# Altium PCB e-puck3-coreboard.PcbDoc (part 1 of 7) (continued)
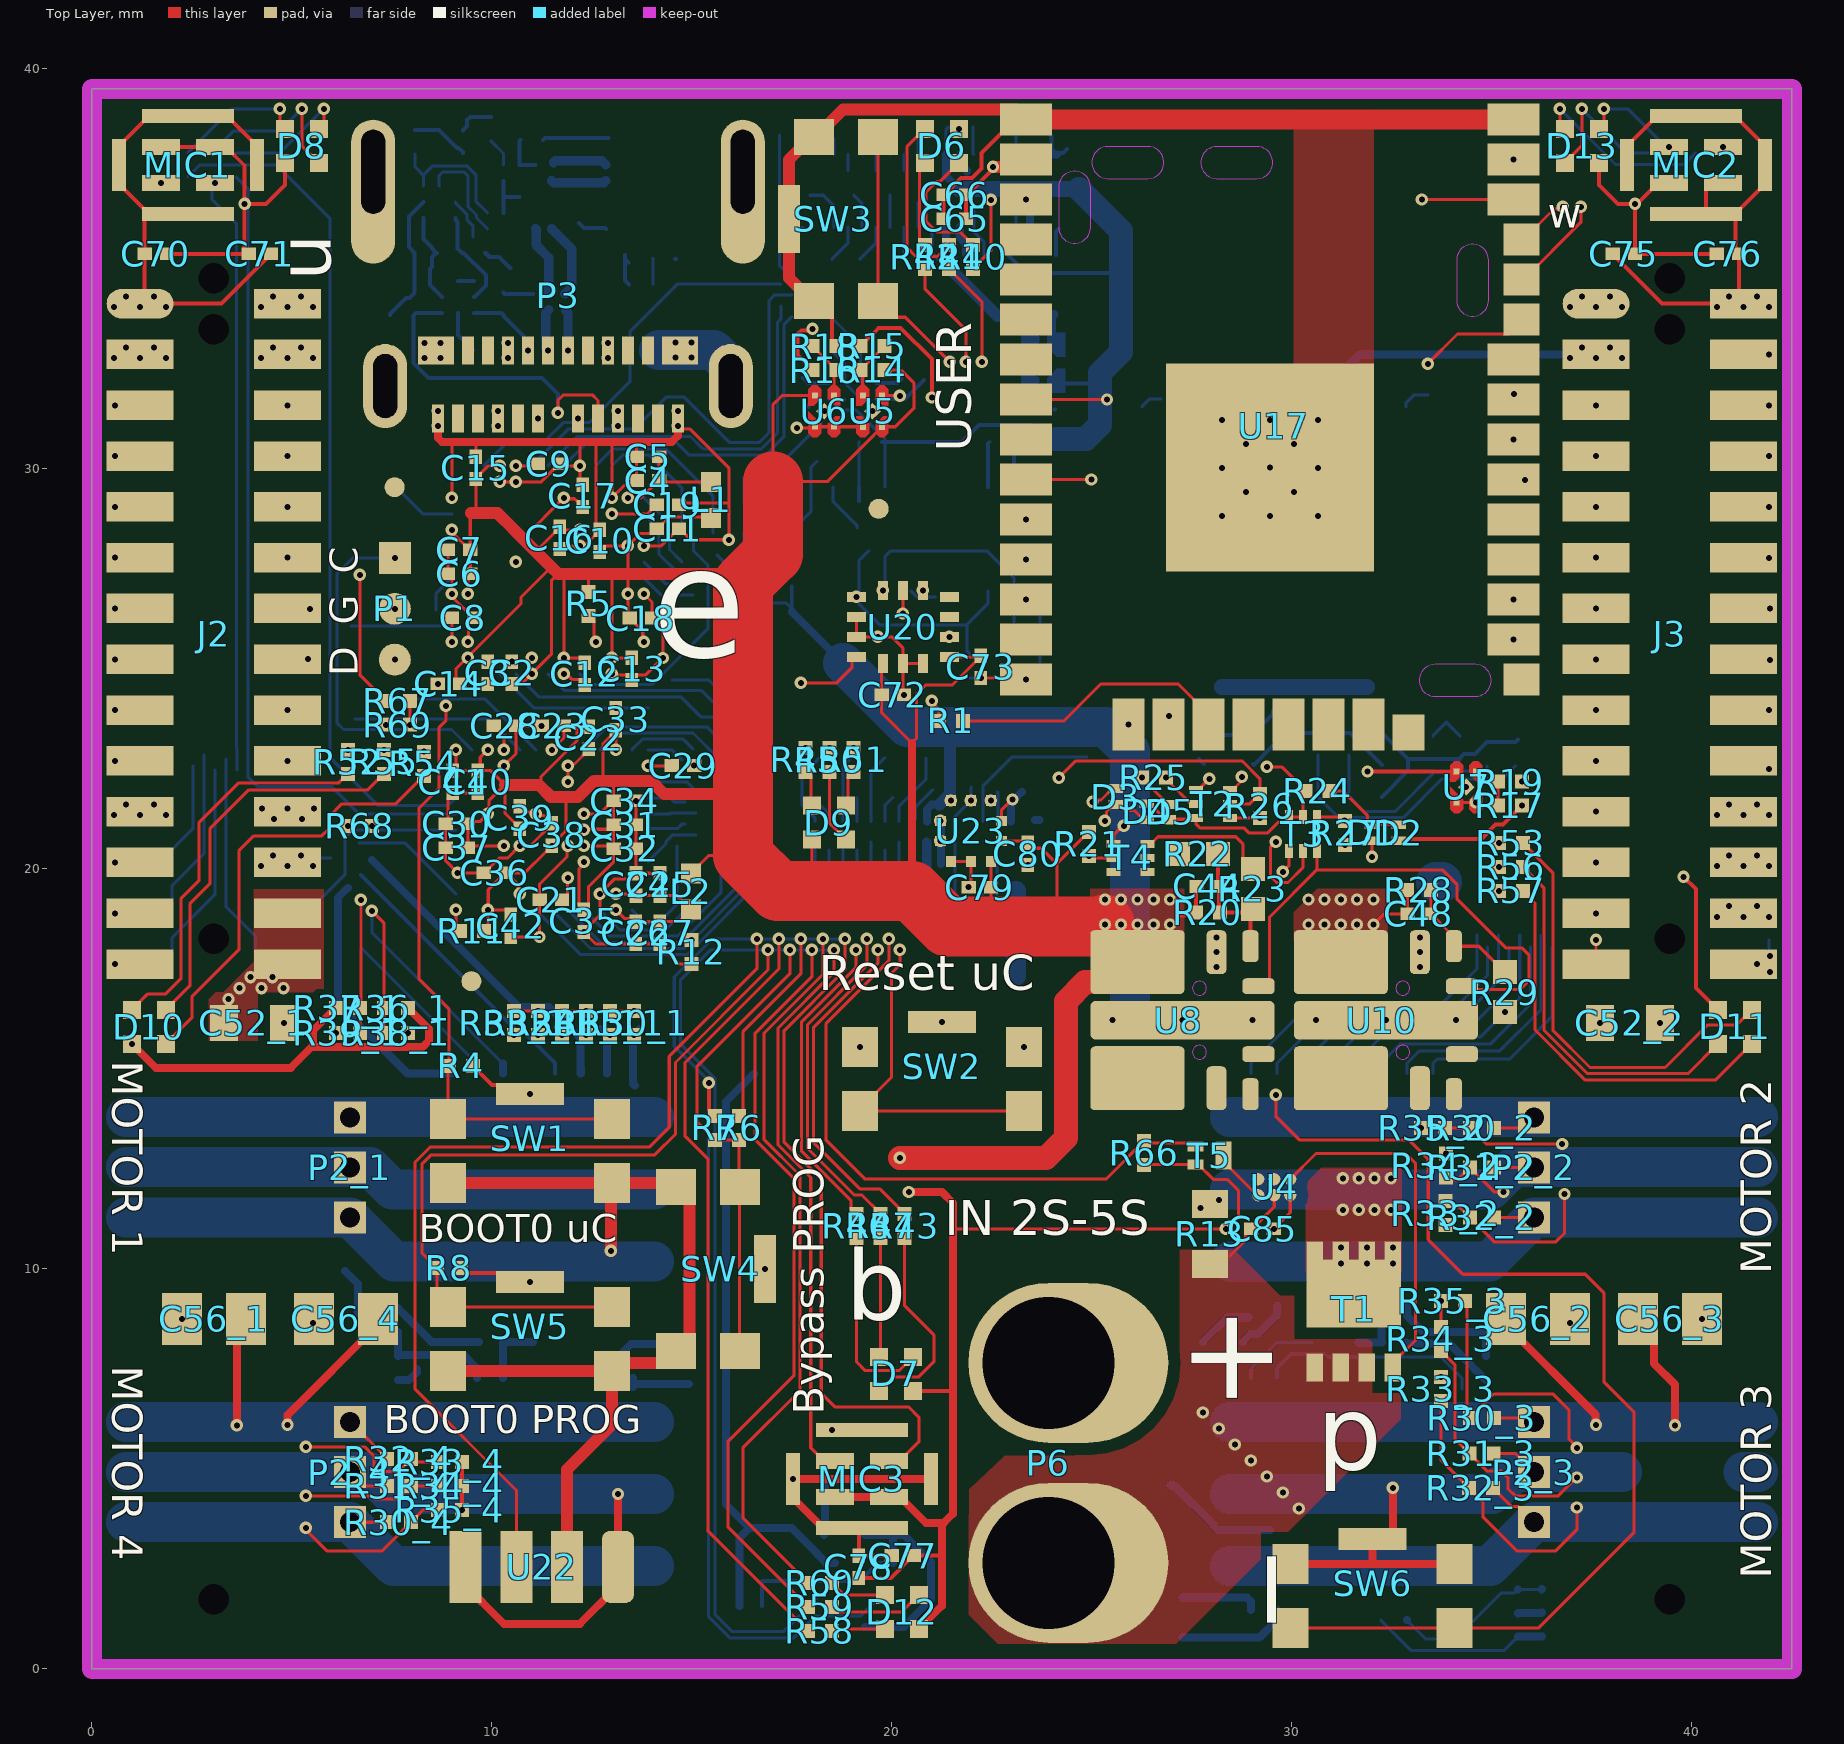
[diagram p0: Top Layer view]
## Components (designator, comment, footprint, x,y, rotation, side; value= is the part's Value field where it differs from the comment) (continued)
R39_1 "2K7" RESC0201(0603)_L 6.4,15.9 r180 top (schematic designator R39)
R39_2 "2K7" RESC0201(0603)_L 34.85,7.515 r270 bottom (schematic designator R39)
R39_3 "2K7" RESC0201(0603)_L 36.25,2.29 r90 bottom (schematic designator R39)
R39_4 "2K7" RESC0201(0603)_L 7.65,8.715 r90 bottom (schematic designator R39)
R40 "1K2" RESC0201(0603)_L 22.025,35.3 r90 top
R41 "249R" RESC0201(0603)_L 21.425,35.3 r90 top
R42 "402R" RESC0201(0603)_L 20.824,35.3 r90 top
R43 "1K2" RESC0201(0603)_L 20.32,11.075 r270 top
R44 "1K2" RESC0201(0603)_L 2.4,37.6 r90 bottom
R45 "1K2" RESC0201(0603)_L 17.84,22.725 r270 top
R46 "249R" RESC0201(0603)_L 19.12,11.075 r270 top
R47 "402R" RESC0201(0603)_L 19.72,11.075 r270 top
R48 "249R" RESC0201(0603)_L 3,37.6 r90 bottom
R49 "402R" RESC0201(0603)_L 3.6,37.6 r90 bottom
R50 "249R" RESC0201(0603)_L 18.44,22.725 r270 top
R51 "402R" RESC0201(0603)_L 19.04,22.725 r270 top
R52 "1K2" RESC0201(0603)_L 6.4,22.675 r270 top
R53 "1K2" RESC0201(0603)_L 35.475,20.65 r0 top
R54 "249R" RESC0201(0603)_L 8.3,22.625 r270 top
R55 "402R" RESC0201(0603)_L 7.3,22.675 r270 top
R56 "249R" RESC0201(0603)_L 35.475,20.05 r0 top
R57 "402R" RESC0201(0603)_L 35.475,19.45 r0 top
R58 "1K2" RESC0201(0603)_L 18.2,0.95 r0 top
R59 "249R" RESC0201(0603)_L 18.2,1.55 r0 top
R60 "402R" RESC0201(0603)_L 18.2,2.15 r0 top
R61 "1K2" RESC0201(0603)_L 38.9,37.6 r90 bottom
R62 "249R" RESC0201(0603)_L 39.5,37.6 r90 bottom
R63 "402R" RESC0201(0603)_L 40.1,37.6 r90 bottom
R64 "4K7" RESC0201(0603)_L 8.075,38.175 r270 bottom
R65 "4K7" RESC0201(0603)_L 8.675,38.175 r270 bottom
R66 "100K" RESC0201(0603)_L 26.31,12.9 r90 top
R67 "100K" RESC0201(0603)_L 7.65,24.2 r180 top
R68 "100K" RESC0201(0603)_L 6.7,21.075 r180 top
R69 "100K" RESC0201(0603)_L 7.65,23.605 r180 top
R70 "12K 1%" RESC0201(0603)_L 9.975,38.5 r90 bottom
R71 "8K06 1%" RESC0201(0603)_L 12.175,36.45 r90 bottom
R72 "100K" RESC0201(0603)_L 13.725,34.608 r180 bottom
R73 "100K" RESC0201(0603)_L 7.25,24.55 r270 bottom
R74 "100K" RESC0201(0603)_L 27.35,36.5 r90 bottom
R75 "4K7" RESC0201(0603)_L 27.675,23.05 r270 bottom
R76 "120R" RESC0201(0603)_L 23.05,25.35 r90 bottom
R77 "100K" RESC0201(0603)_L 22.95,21.925 r0 bottom
R78 "20K" RESC0201(0603)_L 22.225,18.525 r180 bottom
R79 "100K" RESC0201(0603)_L 23.425,38.575 r0 bottom
R80 "20K" RESC0201(0603)_L 23.8,35.35 r0 bottom
R81 "4K7" RESC0201(0603)_L 21.725,38.55 r0 bottom
R82 "4K7" RESC0201(0603)_L 22.6,35.35 r180 bottom
R83 "4K7" RESC0201(0603)_L 16.6,29.8 r180 bottom
SD1 "1051620001" 1051620001-with_card 33.95,31.55 r180 bottom locked
SW1 "button" C&K_KMR2 10.95,12.95 r270 top locked
SW2 "button" C&K_KMR2 21.25,14.75 r270 top locked
SW3 "button" C&K_KMR2 18.85,36.25 r0 top locked
SW4 "button" C&K_KMR2 15.4,10 r180 top
SW5 "button" C&K_KMR2 10.95,8.25 r270 top locked
SW6 "button" C&K_KMR2 32.019,1.825 r270 top
T1 "FDMC8010DC" "PQFN8 3.3X3.3" 31.55,8.933 r90 top
T2 "PMDXB550UNEZ" DFN1010B-6 28.025,21.625 r0 top
T3 "PMDXB550UNEZ" DFN1010B-6 30.275,20.875 r90 top
T4 "PMDXB550UNEZ" DFN1010B-6 25.973,20.272 r0 top
T5 "BSS84AKMB,315" DFND1006B-3 27.59,13.055 r0 top
U1 "STM32F779AIY" WLCSP-180 11.4,27.475 r0 bottom value=Value
U2 "SN74AUP2G32YFPR" "DSBGA 8-pin Ti" 19.016,31.95 r270 bottom
U3 "STM32F746ZGY" WLCSP-143 11.5,20.975 r270 bottom value=Value
U4 "TCK401G,LF" WCSP6E 29.56,12.04 r270 top
U5 "TLV9061IDPWR" X2SON-5 19.515,31.442 r270 top
U6 "TLV9061IDPWR" X2SON-5 18.314,31.441 r90 top
U7 "TLV9061IDPWR" X2SON-5 34.359,22.044 r90 top
U8 "TPSM84209RKHT" "QFN-FCMOD (RKH) 9" 27.065,16.215 r270 top
U9 "MIC5504-1.2YMT-TR" TDFN-4 23.783,32.65 r270 bottom
U10 "TPSM84209RKHT" "QFN-FCMOD (RKH) 9" 32.15,16.215 r270 top
U11_1 "MP6542A" FCQFN6x6-26 11.25,11.985 r90 bottom locked (schematic designator U11)
U11_2 "MP6542A" FCQFN6x6-26 31.25,11.985 r270 bottom locked (schematic designator U11)
U11_3 "MP6542A" FCQFN6x6-26 31.25,4.365 r270 bottom locked (schematic designator U11)
U11_4 "MP6542A" FCQFN6x6-26 11.25,4.365 r90 bottom locked (schematic designator U11)
U12 "FUSB302UCX" WLCSP9 9.089,36.275 r90 bottom
U13 "TPD2S300YFFR" "WLCSP9 - ti" 8.75,33.9 r0 bottom
U14 "USB3333E-GL-TR" 25WLCSP 13.65,36.8 r0 bottom
U16 "USB3803C-1-GL-TR" 25WLCSP 10.693,36.8 r180 bottom
U17 "TTGO micro-32 (ESP32)" "TTGO Micro-32 (ESP32)" 29.45,32.75 r0 top locked
U18 "VL53L1" VL53L1x 30.65,22.6 r180 bottom
U19 "TCAN334GDCNR" SOT-23-8 19.5,28.25 r270 bottom
U20 "LSM6DSOXTR" STM_LGA_14L 20.275,26.05 r0 top
U21 "TCAN334GDCNR" SOT-23-8 22.725,28.25 r270 bottom
U22 "TSOP75436WTT" VISHAY-TSOP752-754 11.25,1.65 r180 top
U23 "LPS22HHTR" STM_HLGA_10L 21.975,20.95 r180 top
X1 "DSC6001HE2A-026.0000" "Oscillator 1.6x1.2mm VFLGA" 16.899,28.752 r270 bottom
X2 "DSC6001HE2A-026.0000" "Oscillator 1.6x1.2mm VFLGA" 16.899,26.06 r90 bottom

## Footprints (in the part's own frame and the unit in brackets; to place one, negate y for a bottom-side part, rotate by r counter-clockwise, add the part's x,y. Pads: shape width x height; smd on the part's side, far side on the other; paste and mask are expansions set on the pad)
25WLCSP [mm]
  round 0.304 smd paste-0.039 mask-0.039: A1(-0.8,0.8) A2(-0.4,0.8) A3(0,0.8) A4(0.4,0.8) A5(0.8,0.8) B1(-0.8,0.4) B2(-0.4,0.4) B3(0,0.4) B4(0.4,0.4) B5(0.8,0.4) C1(-0.8,0) C2(-0.4,0) C3(0,0) C4(0.4,0) C5(0.8,0) D1(-0.8,-0.4) D2(-0.4,-0.4) D3(0,-0.4) D4(0.4,-0.4) D5(0.8,-0.4) E1(-0.8,-0.8) E2(-0.4,-0.8) E3(0,-0.8) E4(0.4,-0.8) E5(0.8,-0.8)
  body extent -0.98,-0.98 0.98,0.98, height 0.57
"0201 diode" [mm] "for 0201 mcsemi diode"
  rect 0.22x0.36 smd mask+0.05: 1(-0.2,0) 2(0.2,0)
  body extent -0.33,-0.18 1.33,0.2, height 0.34
"0402 inductor" [mm]
  rect 0.5x0.5 smd: 1(-0.45,0) 2(0.45,0)
  body extent -0.5,-0.25 0.5,0.25, height 0.5
"0603 - diode" [mm]
  rect 0.55x0.8 smd paste-0.015: 1(-0.625,0) 2(0.625,0)
  body extent -0.8,-0.5 0.8,0.5, height 0.51
0530480350 [mm]
  rect 0.8x0.8 / inner round 0.8 / far side rect 0.8x0.8 hole 0.5: 1(0,0) 2(1.25,0) 3(2.5,0)
  body extent -1.49,-1.05 4.01,4.45, height 3.19
1051620001-with_card [mm]
  rect 0.5x1 smd: 1(0,0) 2(1.1,0) 3(2.2,0) 4(3.3,0) 5(4.4,0) 6(5.5,0) 7(6.6,0) 8(7.7,0)
  rect 0.72x0.79 smd: 9(-1.76,-2.685)
  rect 1.05x1.2 smd: SHIELD(-1.775,-6.56) SHIELD(8.875,-5.99)
  rect 1.05x1.08 smd: SHIELD(-1.775,-3.95)
  rect 2.91x0.55 smd: SHIELD(1.505,-7) SHIELD(5.695,-7)
  rect 1.05x2.39 smd: SHIELD(8.875,-2.805)
  Top Layer keep-out region: 8.16,-5.735 -0.32,-5.735 -0.32,-1.345 8.16,-1.345
  body extent -2.47,-7.29 9.2,7.96, height 2.2
C&K_KMR2 [mm]
  rect 1x0.9 smd: 1(-0.8,2.05) 1(-0.8,-2.05) 2(0.8,2.05) 2(0.8,-2.05)
  rect 0.55x1.7 smd: Shield(-1.425,0)
  body extent -1.4,-2.3 1.4,2.3, height 1.9
CAPC0201(0603)33_L [mm] "Chip Capacitor, Body 0.6x0.3mm, Height 0.33mm, IPC High Density"
  rect 0.36x0.32 smd: 1(-0.28,0) 2(0.28,0)
  body extent -0.32,-0.17 0.32,0.17, height 0.33
CAPC1005X05L [mm] "Chip Capacitor, Body 1.1x0.5mm, IPC High Density, EIA 0402"
  rect 0.6x0.6 smd: 1(-0.5,0) 2(0.5,0)
  body extent -0.55,-0.3 0.55,0.3, height 0.6
CAPC1608X08L [mm] "Chip Capacitor, Body 1.6x0.8mm, IPC High Density, EIA 0603"
  rect 0.7x0.9 smd: 1(-0.75,0) 2(0.75,0)
  body extent -0.9,-0.48 0.9,0.48, height 0.95
CAPC2012X13L [mm] "Chip Capacitor, Body 2.0x1.3mm, IPC High Density, EIA 0805"
  rect 1x1.3 smd: 1(-0.8,0) 2(0.8,0)
  body extent -1.1,-0.72 1.1,0.72, height 1.45
CC_SolderJP_U [mm] "Micro Solder Jumper 2 leads"
  rect 0.4x0.65 smd paste-0.6 mask+0.05: 1(-0.3,0) 2(0.3,0)
  body extent -0.45,-0.27 0.45,0.28, height 0.3
DFN1010B-6 [mm]
  rect 0.35x0.2 smd paste+0 mask+0.05: 1(-0.425,0.35) 2(-0.425,0) 3(-0.425,-0.35) 4(0.425,-0.35) 5(0.425,0) 6(0.425,0.35)
  body extent -0.53,-0.57 0.52,0.58, height 0.41
DFND1006B-3 [mm]
  rect 0.4x0.25 smd paste-4 mask+0.05: 1(0,0) 2(0,-0.45)
  rect 0.4x0.7 smd paste-0.05 mask+0.05: 3(0.7,-0.225)
  body extent -0.15,-0.52 0.85,0.08, height 0.35
"DSBGA 8-pin Ti" [mm]
  round 0.304 smd paste-0.039 mask-0.039: A1(-0.2,0.6) A2(0.2,0.6) B1(-0.2,0.2) B2(0.2,0.2) C1(-0.2,-0.2) C2(0.2,-0.2) D1(-0.2,-0.6) D2(0.2,-0.6)
  body extent -0.4,-0.8 0.4,0.8, height 0.51
ECMF02-2BF3 [mm] "USB DP-DM line protection"
  round 0.304 smd paste-0.039 mask-0.039: A1(0,0) A2(0.4,0) B1(0,-0.4) B2(0.4,-0.4) C1(0.4,-0.8)
  body extent -0.21,-1.02 0.61,0.22, height 0.59
FCQFN6x6-26 [mm]
  rect 0.8x0.3 smd: 1(-2.9,2.275) 2(-2.9,1.625) 3(-2.9,0.975) 4(-2.9,0.325) 5(-2.9,-0.325) 6(-2.9,-0.975) 7(-2.9,-1.625) 8(-2.9,-2.275) 14(2.9,-2.275) 15(2.9,-1.625) 16(2.9,-0.975) 17(2.9,-0.325) 18(2.9,0.325) 19(2.9,0.975) 20(2.9,1.625) 21(2.9,2.275)
  rect 0.4x3 smd: 9(-1.8,-1.8) 10(-0.9,-1.8) 11(0,-1.8) 12(0.9,-1.8) 13(1.8,-1.8) 22(1.8,1.8) 23(0.9,1.8) 24(0,1.8) 25(-0.9,1.8) 26(-1.8,1.8)
  body extent -3,-3 3,3, height 1.01
FLE-114-01-G-DV-A [mil]
  oval 29x66 smd mask+2: 1(-325,-72.5)
  rect 29x66 smd mask+2: 2(-325,72.5) 3(-275,-72.5) 4(-275,72.5) 5(-225,-72.5) 6(-225,72.5) 7(-175,-72.5) 8(-175,72.5) 9(-125,-72.5) 10(-125,72.5) 11(-75,-72.5) 12(-75,72.5) 13(-25,-72.5) 14(-25,72.5) 15(25,-72.5) 16(25,72.5) 17(75,-72.5) 18(75,72.5) 19(125,-72.5) 20(125,72.5) 21(175,-72.5) 22(175,72.5) 23(225,-72.5) 24(225,72.5) 25(275,-72.5) 26(275,72.5) 27(325,-72.5) 28(325,72.5)
  round 0 hole 30 unplated: 61(-300,0) 62(300,0)
  body extent -352,-90 352,90, height 179
FLE-128-01-G-DV-A [mil]
  oval 29x66 smd mask+2: 1(-675,-72.5)
  rect 29x66 smd mask+2: 2(-675,72.5) 3(-625,-72.5) 4(-625,72.5) 5(-575,-72.5) 6(-575,72.5) 7(-525,-72.5) 8(-525,72.5) 9(-475,-72.5) 10(-475,72.5) 11(-425,-72.5) 12(-425,72.5) 13(-375,-72.5) 14(-375,72.5) 15(-325,-72.5) 16(-325,72.5) 17(-275,-72.5) 18(-275,72.5) 19(-225,-72.5) 20(-225,72.5) 21(-175,-72.5) 22(-175,72.5) 23(-125,-72.5) 24(-125,72.5) 25(-75,-72.5) 26(-75,72.5) 27(-25,-72.5) 28(-25,72.5) 29(25,-72.5) 30(25,72.5) 31(75,-72.5) 32(75,72.5) 33(125,-72.5) 34(125,72.5) 35(175,-72.5) 36(175,72.5) 37(225,-72.5) 38(225,72.5) 39(275,-72.5) 40(275,72.5) 41(325,-72.5) 42(325,72.5) 43(375,-72.5) 44(375,72.5) 45(425,-72.5) 46(425,72.5) 47(475,-72.5) 48(475,72.5) 49(525,-72.5) 50(525,72.5) 51(575,-72.5) 52(575,72.5) 53(625,-72.5) 54(625,72.5) 55(675,-72.5) 56(675,72.5)
  round 0 hole 30 unplated: 61(-650,0) 62(650,0)
  body extent -702,-90 703,90, height 179
HIROSE_BM23FR0.6-30DS-0.35V [mm] "Hirose receptacle BM23FR0.6 Serie, 30 leads, Plug Vertical SMT"
  rrect50% 0.2x0.38 smd mask+0.05: 1(-2.45,0.91)
  rect 0.2x0.38 smd mask+0.05: 2(-2.1,0.91) 3(-1.75,0.91) 4(-1.4,0.91) 5(-1.05,0.91) 6(-0.7,0.91) 7(-0.35,0.91) 8(0,0.91) 9(0.35,0.91) 10(0.7,0.91) 11(1.05,0.91) 12(1.4,0.91) 13(1.75,0.91) 14(2.1,0.91) 15(2.45,0.91) 16(2.45,-0.91) 17(2.1,-0.91) 18(1.75,-0.91) 19(1.4,-0.91) 20(1.05,-0.91) 21(0.7,-0.91) 22(0.35,-0.91) 23(0,-0.91) 24(-0.35,-0.91) 25(-0.7,-0.91) 26(-1.05,-0.91) 27(-1.4,-0.91) 28(-1.75,-0.91) 29(-2.1,-0.91) 30(-2.45,-0.91)
  rect 0.52x0.3 smd mask+0.05: P1(-3.17,-0.95) P1(-3.17,0.95) P2(3.17,-0.95) P2(3.17,0.95)
  body extent -3.87,-0.99 3.88,0.99, height 0.6
LUMEX_SML-LX0404SIUPGUSB [mm]
  rect 0.45x0.45 smd mask+0.05: 1(-0.425,0.425) 2(0.425,0.425) 3(0.425,-0.425) 4(-0.425,-0.425)
  body extent -0.5,-0.5 0.5,0.5, height 0.31
MIC-PACK_MP34DT05-A(Primary) [mm]
  rect 0.4x0.95 smd: 1(-0.45,0.675) 2(-0.45,-0.675) 3(0.45,-0.675) 4(0.45,0.675)
  rect 0.35x2.3 smd: 5(-1.225,0) 5(1.225,0)
  rect 1.3x0.35 smd: 5(0,1.725) 5(0,-1.725)
  body extent -1.5,-2 1.5,2, height 1.02
MOLEX_2012670005 [mm]
  rect 0.3x0.7 smd: A1(-3.005,7.94) A2(-2.505,7.94) A3(-2.005,7.94) A4(-1.505,7.94) A5(-1.005,7.94) A6(-0.505,7.94) A7(0.495,7.94) A8(0.995,7.94) A9(1.495,7.94) A10(1.995,7.94) A11(2.495,7.94) A12(2.995,7.94) B2(2.245,6.24) B3(1.745,6.24) B4(1.245,6.24) B5(0.745,6.24) B6(0.245,6.24) B7(-0.255,6.24) B8(-0.755,6.24) B9(-1.255,6.24) B10(-1.755,6.24) B11(-2.255,6.24)
  rect 0.9x0.7 smd: B1(3.045,6.24) B12(-3.055,6.24)
  oval 1.1x3.6 / inner round 0 / far side oval 1.1x3.6 hole 0.6 slot 2.1 at 90 deg copper offset 0,0.5: SHIELD(-4.625,1.77) SHIELD(4.615,1.77)
  oval 1.1x2.1 / inner round 0 / far side oval 1.1x2.1 hole 0.6 slot 1.6 at 90 deg: SHIELD(-4.325,7.13) SHIELD(4.315,7.13)
  body extent -4.69,-0.18 4.69,8.12, height 3.69
"Oscillator 1.6x1.2mm VFLGA" [mm]
  rect 0.5x0.43 smd: 1(-0.375,0.56)
  rect 0.5x0.35 smd: 2(-0.375,-0.6) 3(0.375,-0.6) 4(0.375,0.6)
  body extent -0.6,-0.8 0.6,0.8, height 1.01
POWERVIAS_2 [mm]
  round 4 all layers, no hole: 1(0,0) 2(5,0)
  oval 4x5 / inner round 0 / far side round 0 hole 3.3 copper offset 0,0.5: 1(0,0) 2(5,0)
"PQFN8 3.3X3.3" [mm]
  rect 0.7x0.42 smd: 1(-1.4,0.975) 2(-1.4,0.325) 3(-1.4,-0.325) 4(-1.4,-0.975)
  rect 0.5x0.42 smd: 5(1.5,-0.975) 6(1.5,-0.325) 7(1.5,0.325) 8(1.5,0.975)
  rect 1x0.7 smd: 9(0.45,-0.65) 9(0.45,0.65)
  rect 1.7x2.37 smd paste-10: 9(0.45,0)
  body extent -1.65,-1.65 1.65,1.65, height 0.8
"QFN-FCMOD (RKH) 9" [mm]
  rrect50% 0.8x0.4 smd paste-0.05 mask-0.05: 1(-1.85,1.9) 6(1.85,1.9)
  rrect50% 1.1x0.5 smd paste-0.05 mask-0.05: 2(-1.7,1.05) 5(1.7,1.05)
  rrect50% 0.475x0.4 smd paste-0.05 mask-0.05: 3(-2.013,-0.6) 3(-2.013,0.05) 3(-2.013,-1.9) 3(-2.013,-1.25) 4(2.013,-0.6) 4(2.013,0.05) 4(2.013,-1.9) 4(2.013,-1.25)
  rrect15% 1.6x2.35 smd paste-1.5 mask-1.168: 3(-1.45,-0.925) 4(1.45,-0.925)
  rrect30% 1.02x0.71 smd paste-0.05 mask-0.05: 3(-1.165,-0.115) 3(-1.165,-0.925) 3(-1.165,-1.735) 4(1.165,-0.115) 4(1.165,-0.925) 4(1.165,-1.735)
  rrect50% 0.4x0.8 smd paste-0.05 mask-0.05: 7(0.85,2.1) 9(-0.85,2.1)
  rrect50% 0.5x1.1 smd paste-0.05 mask-0.05: 8(0,1.95)
  rrect25% 0.96x4.6 smd paste-1 mask-2.286: 8(0,0.2)
  Top Layer pour cut-out: 1.875,0.2 1.875,-0.1 1.856,-0.104 1.84,-0.115 1.829,-0.131 1.825,-0.15 1.825,-0.15 1.825,-0.4 1.829,-0.419 1.84,-0.435 1.856,-0.446 1.875,-0.45 1.875,-0.45 1.875,-0.75 1.856,-0.754 1.84,-0.765 1.829,-0.781 1.825,-0.8 1.825,-0.8 1.825,-1.05 1.829,-1.069 1.84,-1.085 1.856,-1.096 1.875,-1.1 1.875,-1.1 1.875,-1.4 1.856,-1.404 1.84,-1.415 1.829,-1.431 1.825,-1.45 1.825,-1.45 1.825,-1.7 1.829,-1.719 1.84,-1.735 1.856,-1.746 1.875,-1.75 1.875,-1.75 1.875,-2.05 0.75,-2.05 0.731,-2.046 0.715,-2.035 0.704,-2.019 0.7,-2 0.7,-2 0.7,0.125 0.706,0.154 0.722,0.178 0.746,0.194 0.775,0.2 0.775,0.2 0.775,0.2
  Top Layer pour cut-out: -1.875,0.2 -1.875,-0.1 -1.856,-0.104 -1.84,-0.115 -1.829,-0.131 -1.825,-0.15 -1.825,-0.15 -1.825,-0.4 -1.829,-0.419 -1.84,-0.435 -1.856,-0.446 -1.875,-0.45 -1.875,-0.45 -1.875,-0.75 -1.856,-0.754 -1.84,-0.765 -1.829,-0.781 -1.825,-0.8 -1.825,-0.8 -1.825,-1.05 -1.829,-1.069 -1.84,-1.085 -1.856,-1.096 -1.875,-1.1 -1.875,-1.1 -1.875,-1.4 -1.856,-1.404 -1.84,-1.415 -1.829,-1.431 -1.825,-1.45 -1.825,-1.45 -1.825,-1.7 -1.829,-1.719 -1.84,-1.735 -1.856,-1.746 -1.875,-1.75 -1.875,-1.75 -1.875,-2.05 -0.75,-2.05 -0.731,-2.046 -0.715,-2.035 -0.704,-2.019 -0.7,-2 -0.7,-2 -0.7,0.125 -0.706,0.154 -0.722,0.178 -0.746,0.194 -0.775,0.2 -0.775,0.2 -0.775,0.2
  Top Layer keep-out circle w0.001: c-0.8,0.625 r0.175
  Top Layer keep-out circle w0.001: c0.8,0.625 r0.175
  body extent -2.03,-2.29 2.03,2.29, height 2.11
RESC0201(0603)_L [mm] "Chip Resistor, Body 0.6x0.3mm, IPC High Density"
  rect 0.35x0.35 smd: 1(-0.3,0) 2(0.3,0)
  body extent -0.31,-0.16 0.31,0.16, height 0.3
RESC1005X04L [mm] "Chip Resistor, Body 1.1x0.5mm, IPC High Density, EIA 0402"
  rect 0.6x0.6 smd: 1(-0.5,0) 2(0.5,0)
  body extent -0.55,-0.3 0.55,0.3, height 0.4
RESC1608X06L [mm] "Chip Resistor, Body 1.6x0.8mm, IPC High Density, EIA 0603"
  rect 0.7x0.9 smd: 1(-0.75,0) 2(0.75,0)
  body extent -0.85,-0.48 0.85,0.48, height 0.6
SOT-23-8 [mm]
  oval 1.1x0.45 smd: 1(-1.3,0.975) 2(-1.3,0.325) 3(-1.3,-0.325) 4(-1.3,-0.975) 5(1.3,-0.975) 6(1.3,-0.325) 7(1.3,0.325) 8(1.3,0.975)
  body extent -1.4,-1.47 1.4,1.47, height 1.2
STM_HLGA_10L [mm]
  rect 0.275x0.25 smd: 1(-0.762,0.25) 2(-0.762,-0.25) 6(0.763,-0.25) 7(0.763,0.25)
  rect 0.25x0.275 smd: 3(-0.5,-0.762) 4(0,-0.762) 5(0.5,-0.762) 8(0.5,0.762) 9(0,0.762) 10(-0.5,0.762)
  body extent -1,-1 1,1, height 0.81
STM_LGA_14L [mm]
  rect 0.475x0.25 smd: 1(-1.162,0.75) 2(-1.162,0.25) 3(-1.162,-0.25) 4(-1.162,-0.75) 8(1.162,-0.75) 9(1.162,-0.25) 10(1.162,0.25) 11(1.162,0.75)
  rect 0.25x0.475 smd: 5(-0.5,-0.913) 6(0,-0.913) 7(0.5,-0.913) 12(0.5,0.913) 13(0,0.913) 14(-0.5,0.913)
  body extent -1.5,-1.25 1.5,1.25, height 0.87
SWD_pads_3pin [mm]
  rect 0.8x0.8 smd: 1(0,0)
  round 0.8 smd: 2(1.27,0) 3(2.54,0)
TDFN-4 [mm]
  rect 0.1x0.1 smd paste+0 mask+0: 1(-0.51,0.327) 2(-0.513,-0.339) 3(0.518,-0.346) 4(0.512,0.329)
  rect 0.48x0.48 smd rot 135 paste+0 mask+0.05: 5(0,0)
  Top Layer region: -0.75,-0.1 -0.75,-0.55 -0.15,-0.55 -0.15,-0.34 -0.39,-0.1
  Top Layer region: 0.75,-0.1 0.75,-0.55 0.15,-0.55 0.15,-0.34 0.39,-0.1
  Top Layer region: 0.75,0.1 0.75,0.55 0.15,0.55 0.15,0.34 0.39,0.1
  Top Layer region: -0.75,0.1 -0.75,0.55 0.06,0.55 -0.39,0.1
  body extent -0.5,-0.5 0.5,0.5, height 0.56
"TTGO Micro-32 (ESP32)" [mm]
  rect 1.3x0.8 smd: 1(-6.09,5.98) 2(-6.09,4.98) 3(-6.09,3.98) 4(-6.09,2.98) 5(-6.09,1.98) 6(-6.09,0.98) 7(-6.09,-0.02) 8(-6.09,-1.02) 9(-6.09,-2.02) 10(-6.09,-3.02) 11(-6.09,-4.02) 12(-6.09,-5.02) 13(-6.09,-6.02) 14(-6.09,-7.02) 15(-6.09,-8.02) 25(6.09,-7.02) 26(6.09,-6.02) 27(6.09,-5.02) 28(6.09,-4.02) 29(6.09,-3.02) 30(6.09,-2.02) 31(6.09,-1.02) 32(6.09,-0.02) 36(6.09,3.98) 37(6.09,4.98) 38(6.09,5.98)
  rect 0.8x1.3 smd: 16(-3.53,-9.14) 17(-2.53,-9.14) 18(-1.53,-9.14) 19(-0.53,-9.14) 20(0.47,-9.14) 21(1.47,-9.14) 22(2.47,-9.14)
  rect 0.8x0.9 smd: 23(3.47,-9.34)
  rect 0.9x0.8 smd: 24(6.29,-8.02) 33(6.29,0.98) 34(6.29,1.98) 35(6.29,2.98)
  rect 5.2x5.2 smd: 39(0.005,-2.715)
  Top Layer keep-out region: 5.135,-7.64 4.135,-7.64 3.961,-7.68 3.822,-7.791 3.745,-7.951 3.745,-8.129 3.822,-8.289 3.961,-8.4 4.135,-8.44 4.135,-8.44 4.135,-8.44 5.135,-8.44 5.135,-8.44 5.309,-8.4 5.448,-8.289 5.525,-8.129 5.525,-7.951 5.448,-7.791 5.309,-7.68 5.135,-7.64
  Top Layer keep-out region: 5.47,1.465 5.47,2.465 5.43,2.639 5.319,2.778 5.159,2.855 4.981,2.855 4.821,2.778 4.71,2.639 4.67,2.465 4.67,2.465 4.67,2.465 4.67,1.465 4.67,1.465 4.71,1.291 4.821,1.152 4.981,1.075 5.159,1.075 5.319,1.152 5.43,1.291 5.47,1.465
  Top Layer keep-out region: -4.48,3.29 -4.48,4.29 -4.52,4.464 -4.631,4.603 -4.791,4.68 -4.969,4.68 -5.129,4.603 -5.24,4.464 -5.28,4.29 -5.28,4.29 -5.28,4.29 -5.28,3.29 -5.28,3.29 -5.24,3.116 -5.129,2.977 -4.969,2.9 -4.791,2.9 -4.631,2.977 -4.52,3.116 -4.48,3.29
  Top Layer keep-out region: -4.049,4.507 -3.049,4.507 -2.876,4.546 -2.736,4.657 -2.659,4.818 -2.659,4.996 -2.736,5.156 -2.876,5.267 -3.049,5.307 -3.049,5.307 -3.049,5.307 -4.049,5.307 -4.049,5.307 -4.223,5.267 -4.362,5.156 -4.439,4.996 -4.439,4.818 -4.362,4.657 -4.223,4.546 -4.049,4.507
  Top Layer keep-out region: -1.325,4.505 -0.325,4.505 -0.151,4.545 -0.012,4.656 0.065,4.816 0.065,4.994 -0.012,5.154 -0.151,5.265 -0.325,5.305 -0.325,5.305 -0.325,5.305 -1.325,5.305 -1.325,5.305 -1.499,5.265 -1.638,5.154 -1.715,4.994 -1.715,4.816 -1.638,4.656 -1.499,4.545 -1.325,4.505
  body extent -6.51,-9.47 6.55,9.47, height 2.8
VISHAY-TSOP752-754 [mm]
  rrect50% 0.8x1.8 smd: 1(-1.905,-0.9)
  rect 0.8x1.8 smd: 2(-0.635,-0.9) 3(0.635,-0.9) 4(1.905,-0.9)
  body extent -3.4,-1.5 3.4,1.5, height 2.35
VL53L1x [mm]
  rect 0.5x0.5 smd: 1(-1.6,0.8) 2(-0.8,0.8) 3(0,0.8) 4(0.8,0.8) 5(1.6,0.8) 6(1.6,0) 7(1.6,-0.8) 8(0.8,-0.8) 9(0,-0.8) 10(-0.8,-0.8) 11(-1.6,-0.8) 12(-1.6,0)
  body extent -2.45,-1.25 2.45,1.25, height 1.54
WCSP6E [mm]
  round 0.304 smd paste-0.039 mask-0.039: A1(-0.2,0.4) A2(0.2,0.4) B1(-0.2,0) B2(0.2,0) C1(-0.2,-0.4) C2(0.2,-0.4)
  body extent -0.4,-0.6 0.4,0.6, height 0.56
WLCSP9 [mm]
  round 0.304 smd paste-0.039 mask-0.039: A1(0,0) A2(0.4,0) A3(0.8,0) B1(0,-0.4) B2(0.4,-0.4) B3(0.8,-0.4) C1(0,-0.8) C2(0.4,-0.8) C3(0.8,-0.8)
  body extent -0.23,-1.01 1.02,0.2, height 0.59
"WLCSP9 - ti" [mm]
  round 0.304 smd paste-0.039 mask-0.039: A1(0,0) A2(0.4,0) A3(0.8,0) B1(0,-0.4) B2(0.4,-0.4) B3(0.8,-0.4) C1(0,-0.8) C2(0.4,-0.8) C3(0.8,-0.8)
  body extent -0.3,-1.1 1.1,0.3, height 0.64
WLCSP-143 [mm]
  round 0.304 smd paste-0.039 mask-0.039: A1(-2,2.4) A2(-1.6,2.4) A3(-1.2,2.4) A4(-0.8,2.4) A5(-0.4,2.4) A6(0,2.4) A7(0.4,2.4) A8(0.8,2.4) A9(1.2,2.4) A10(1.6,2.4) A11(2,2.4) B1(-2,2) B2(-1.6,2) B3(-1.2,2) B4(-0.8,2) B5(-0.4,2) B6(0,2) B7(0.4,2) B8(0.8,2) B9(1.2,2) B10(1.6,2) B11(2,2) C1(-2,1.6) C2(-1.6,1.6) C3(-1.2,1.6) C4(-0.8,1.6) C5(-0.4,1.6) C6(0,1.6) C7(0.4,1.6) C8(0.8,1.6) C9(1.2,1.6) C10(1.6,1.6) C11(2,1.6) D1(-2,1.2) D2(-1.6,1.2) D3(-1.2,1.2) D4(-0.8,1.2) D5(-0.4,1.2) D6(0,1.2) D7(0.4,1.2) D8(0.8,1.2) D9(1.2,1.2) D10(1.6,1.2) D11(2,1.2) E1(-2,0.8) E2(-1.6,0.8) E3(-1.2,0.8) E4(-0.8,0.8) E5(-0.4,0.8) E6(0,0.8) E7(0.4,0.8) E8(0.8,0.8) E9(1.2,0.8) E10(1.6,0.8) E11(2,0.8) F1(-2,0.4) F2(-1.6,0.4) F3(-1.2,0.4) F4(-0.8,0.4) F5(-0.4,0.4) F6(0,0.4) F7(0.4,0.4) F8(0.8,0.4) F9(1.2,0.4) F10(1.6,0.4) F11(2,0.4) G1(-2,0) G2(-1.6,0) G3(-1.2,0) G4(-0.8,0) G5(-0.4,0) G6(0,0) G7(0.4,0) G8(0.8,0) G9(1.2,0) G10(1.6,0) G11(2,0) H1(-2,-0.4) H2(-1.6,-0.4) H3(-1.2,-0.4) H4(-0.8,-0.4) H5(-0.4,-0.4) H6(0,-0.4) H7(0.4,-0.4) H8(0.8,-0.4) H9(1.2,-0.4) H10(1.6,-0.4) H11(2,-0.4) J1(-2,-0.8) J2(-1.6,-0.8) J3(-1.2,-0.8) J4(-0.8,-0.8) J5(-0.4,-0.8) J6(0,-0.8) J7(0.4,-0.8) J8(0.8,-0.8) J9(1.2,-0.8) J10(1.6,-0.8) J11(2,-0.8) K1(-2,-1.2) K2(-1.6,-1.2) K3(-1.2,-1.2) K4(-0.8,-1.2) K5(-0.4,-1.2) K6(0,-1.2) K7(0.4,-1.2) K8(0.8,-1.2) K9(1.2,-1.2) K10(1.6,-1.2) K11(2,-1.2) L1(-2,-1.6) L2(-1.6,-1.6) L3(-1.2,-1.6) L4(-0.8,-1.6) L5(-0.4,-1.6) L6(0,-1.6) L7(0.4,-1.6) L8(0.8,-1.6) L9(1.2,-1.6) L10(1.6,-1.6) L11(2,-1.6) M1(-2,-2) M2(-1.6,-2) M3(-1.2,-2) M4(-0.8,-2) M5(-0.4,-2) M6(0,-2) M7(0.4,-2) M8(0.8,-2) M9(1.2,-2) M10(1.6,-2) M11(2,-2) N1(-2,-2.4) N2(-1.6,-2.4) N3(-1.2,-2.4) N4(-0.8,-2.4) N5(-0.4,-2.4) N6(0,-2.4) N7(0.4,-2.4) N8(0.8,-2.4) N9(1.2,-2.4) N10(1.6,-2.4) N11(2,-2.4)
  body extent -2.29,-2.94 2.29,2.94, height 1.27
WLCSP-180 [mm]
  round 0.304 smd paste-0.039 mask-0.039: A1(-2.4,2.6) A2(-2,2.6) A3(-1.6,2.6) A4(-1.2,2.6) A5(-0.8,2.6) A6(-0.4,2.6) A7(0,2.6) A8(0.4,2.6) A9(0.8,2.6) A10(1.2,2.6) A11(1.6,2.6) A12(2,2.6) A13(2.4,2.6) B1(-2.4,2.2) B2(-2,2.2) B3(-1.6,2.2) B4(-1.2,2.2) B5(-0.8,2.2) B6(-0.4,2.2) B7(0,2.2) B8(0.4,2.2) B9(0.8,2.2) B10(1.2,2.2) B11(1.6,2.2) B12(2,2.2) B13(2.4,2.2) C1(-2.4,1.8) C2(-2,1.8) C3(-1.6,1.8) C4(-1.2,1.8) C5(-0.8,1.8) C6(-0.4,1.8) C7(0,1.8) C8(0.4,1.8) C9(0.8,1.8) C10(1.2,1.8) C11(1.6,1.8) C12(2,1.8) C13(2.4,1.8) D1(-2.4,1.4) D2(-2,1.4) D3(-1.6,1.4) D4(-1.2,1.4) D5(-0.8,1.4) D6(-0.4,1.4) D7(0,1.4) D8(0.4,1.4) D9(0.8,1.4) D10(1.2,1.4) D11(1.6,1.4) D12(2,1.4) D13(2.4,1.4) E1(-2.4,1) E2(-2,1) E3(-1.6,1) E4(-1.2,1) E5(-0.8,1) E6(-0.4,1) E7(0,1) E8(0.4,1) E9(0.8,1) E10(1.2,1) E11(1.6,1) E12(2,1) E13(2.4,1) F1(-2.4,0.6) F2(-2,0.6) F3(-1.6,0.6) F4(-1.2,0.6) F5(-0.8,0.6) F6(-0.4,0.6) F7(0,0.6) F8(0.4,0.6) F9(0.8,0.6) F10(1.2,0.6) F11(1.6,0.6) F12(2,0.6) F13(2.4,0.6) G1(-2.4,0.2) G2(-2,0.2) G3(-1.6,0.2) G4(-1.2,0.2) G5(-0.8,0.2) G6(-0.4,0.2) G8(0.4,0.2) G9(0.8,0.2) G10(1.2,0.2) G11(1.6,0.2) G12(2,0.2) G13(2.4,0.2) H1(-2.4,-0.2) H2(-2,-0.2) H3(-1.6,-0.2) H4(-1.2,-0.2) H5(-0.8,-0.2) H6(-0.4,-0.2) H8(0.4,-0.2) H9(0.8,-0.2) H10(1.2,-0.2) H11(1.6,-0.2) H12(2,-0.2) H13(2.4,-0.2) J1(-2.4,-0.6) J2(-2,-0.6) J3(-1.6,-0.6) J4(-1.2,-0.6) J5(-0.8,-0.6) J6(-0.4,-0.6) J7(0,-0.6) J8(0.4,-0.6) J9(0.8,-0.6) J10(1.2,-0.6) J11(1.6,-0.6) J12(2,-0.6) J13(2.4,-0.6) K1(-2.4,-1) K2(-2,-1) K3(-1.6,-1) K4(-1.2,-1) K5(-0.8,-1) K6(-0.4,-1) K7(0,-1) K8(0.4,-1) K9(0.8,-1) K10(1.2,-1) K11(1.6,-1) K12(2,-1) K13(2.4,-1) L1(-2.4,-1.4) L2(-2,-1.4) L3(-1.6,-1.4) L4(-1.2,-1.4) L5(-0.8,-1.4) L6(-0.4,-1.4) L7(0,-1.4) L8(0.4,-1.4) L9(0.8,-1.4) L10(1.2,-1.4) L11(1.6,-1.4) L12(2,-1.4) L13(2.4,-1.4) M1(-2.4,-1.8) M2(-2,-1.8) M3(-1.6,-1.8) M4(-1.2,-1.8) M5(-0.8,-1.8) M6(-0.4,-1.8) M7(0,-1.8) M8(0.4,-1.8) M9(0.8,-1.8) M10(1.2,-1.8) M11(1.6,-1.8) M12(2,-1.8) M13(2.4,-1.8) N1(-2.4,-2.2) N2(-2,-2.2) N3(-1.6,-2.2) N4(-1.2,-2.2) N5(-0.8,-2.2) N6(-0.4,-2.2) N7(0,-2.2) N8(0.4,-2.2) N9(0.8,-2.2) N10(1.2,-2.2) N11(1.6,-2.2) N12(2,-2.2) N13(2.4,-2.2) P1(-2.4,-2.6) P2(-2,-2.6) P3(-1.6,-2.6) P4(-1.2,-2.6) P5(-0.8,-2.6) P6(-0.4,-2.6) P7(0,-2.6) P8(0.4,-2.6) P9(0.8,-2.6) P10(1.2,-2.6) P11(1.6,-2.6) P12(2,-2.6) P13(2.4,-2.6)
  body extent -2.79,-3.06 2.79,3.07, height 1.27
X2SON-5 [mm]
  rect 0.15x0.15 smd paste+0 mask+0: 1(-0.389,0.239) 2(-0.389,-0.241) 4(0.391,-0.241) 5(0.391,0.239)
  rect 0.3x0.3 smd rot 135 paste-0.03 mask-0.03: 3(0.001,-0.001)
  Top Layer region: -0.129,-0.401 -0.549,-0.401 -0.649,-0.301 -0.649,-0.181 -0.549,-0.081 -0.318,-0.081 -0.129,-0.27
  Top Layer region: 0.551,0.079 0.32,0.079 0.131,0.268 0.131,0.399 0.551,0.399 0.651,0.299 0.651,0.179 0.551,0.079
  Top Layer region: 0.551,-0.401 0.131,-0.401 0.131,-0.27 0.32,-0.081 0.551,-0.081 0.651,-0.181 0.651,-0.301
  Top Layer region: -0.318,0.079 -0.549,0.079 -0.649,0.179 -0.649,0.299 -0.549,0.399 0.002,0.399
  body extent -0.43,-0.43 0.43,0.43, height 0.26
X3-DFN0603-2 [mm]
  rect 0.23x0.3 smd mask+0.05: 1(-0.19,0) 2(0.19,0)
  body extent -0.34,-0.19 1.33,0.2, height 0.34